# Altium PCB Hall Board.PcbDoc (part 2 of 4)
Units mil, origin at the board's own origin, x right, y up, seen from the top; angles counter-clockwise.
Board outline 5491 x 4230 mil, 4 copper layers (Top Layer, Internal Plane 1, Internal Plane 2, Bottom Layer), stack 18.2 mil thick; 462 components, 334 nets, 1357 pads, 212 vias.
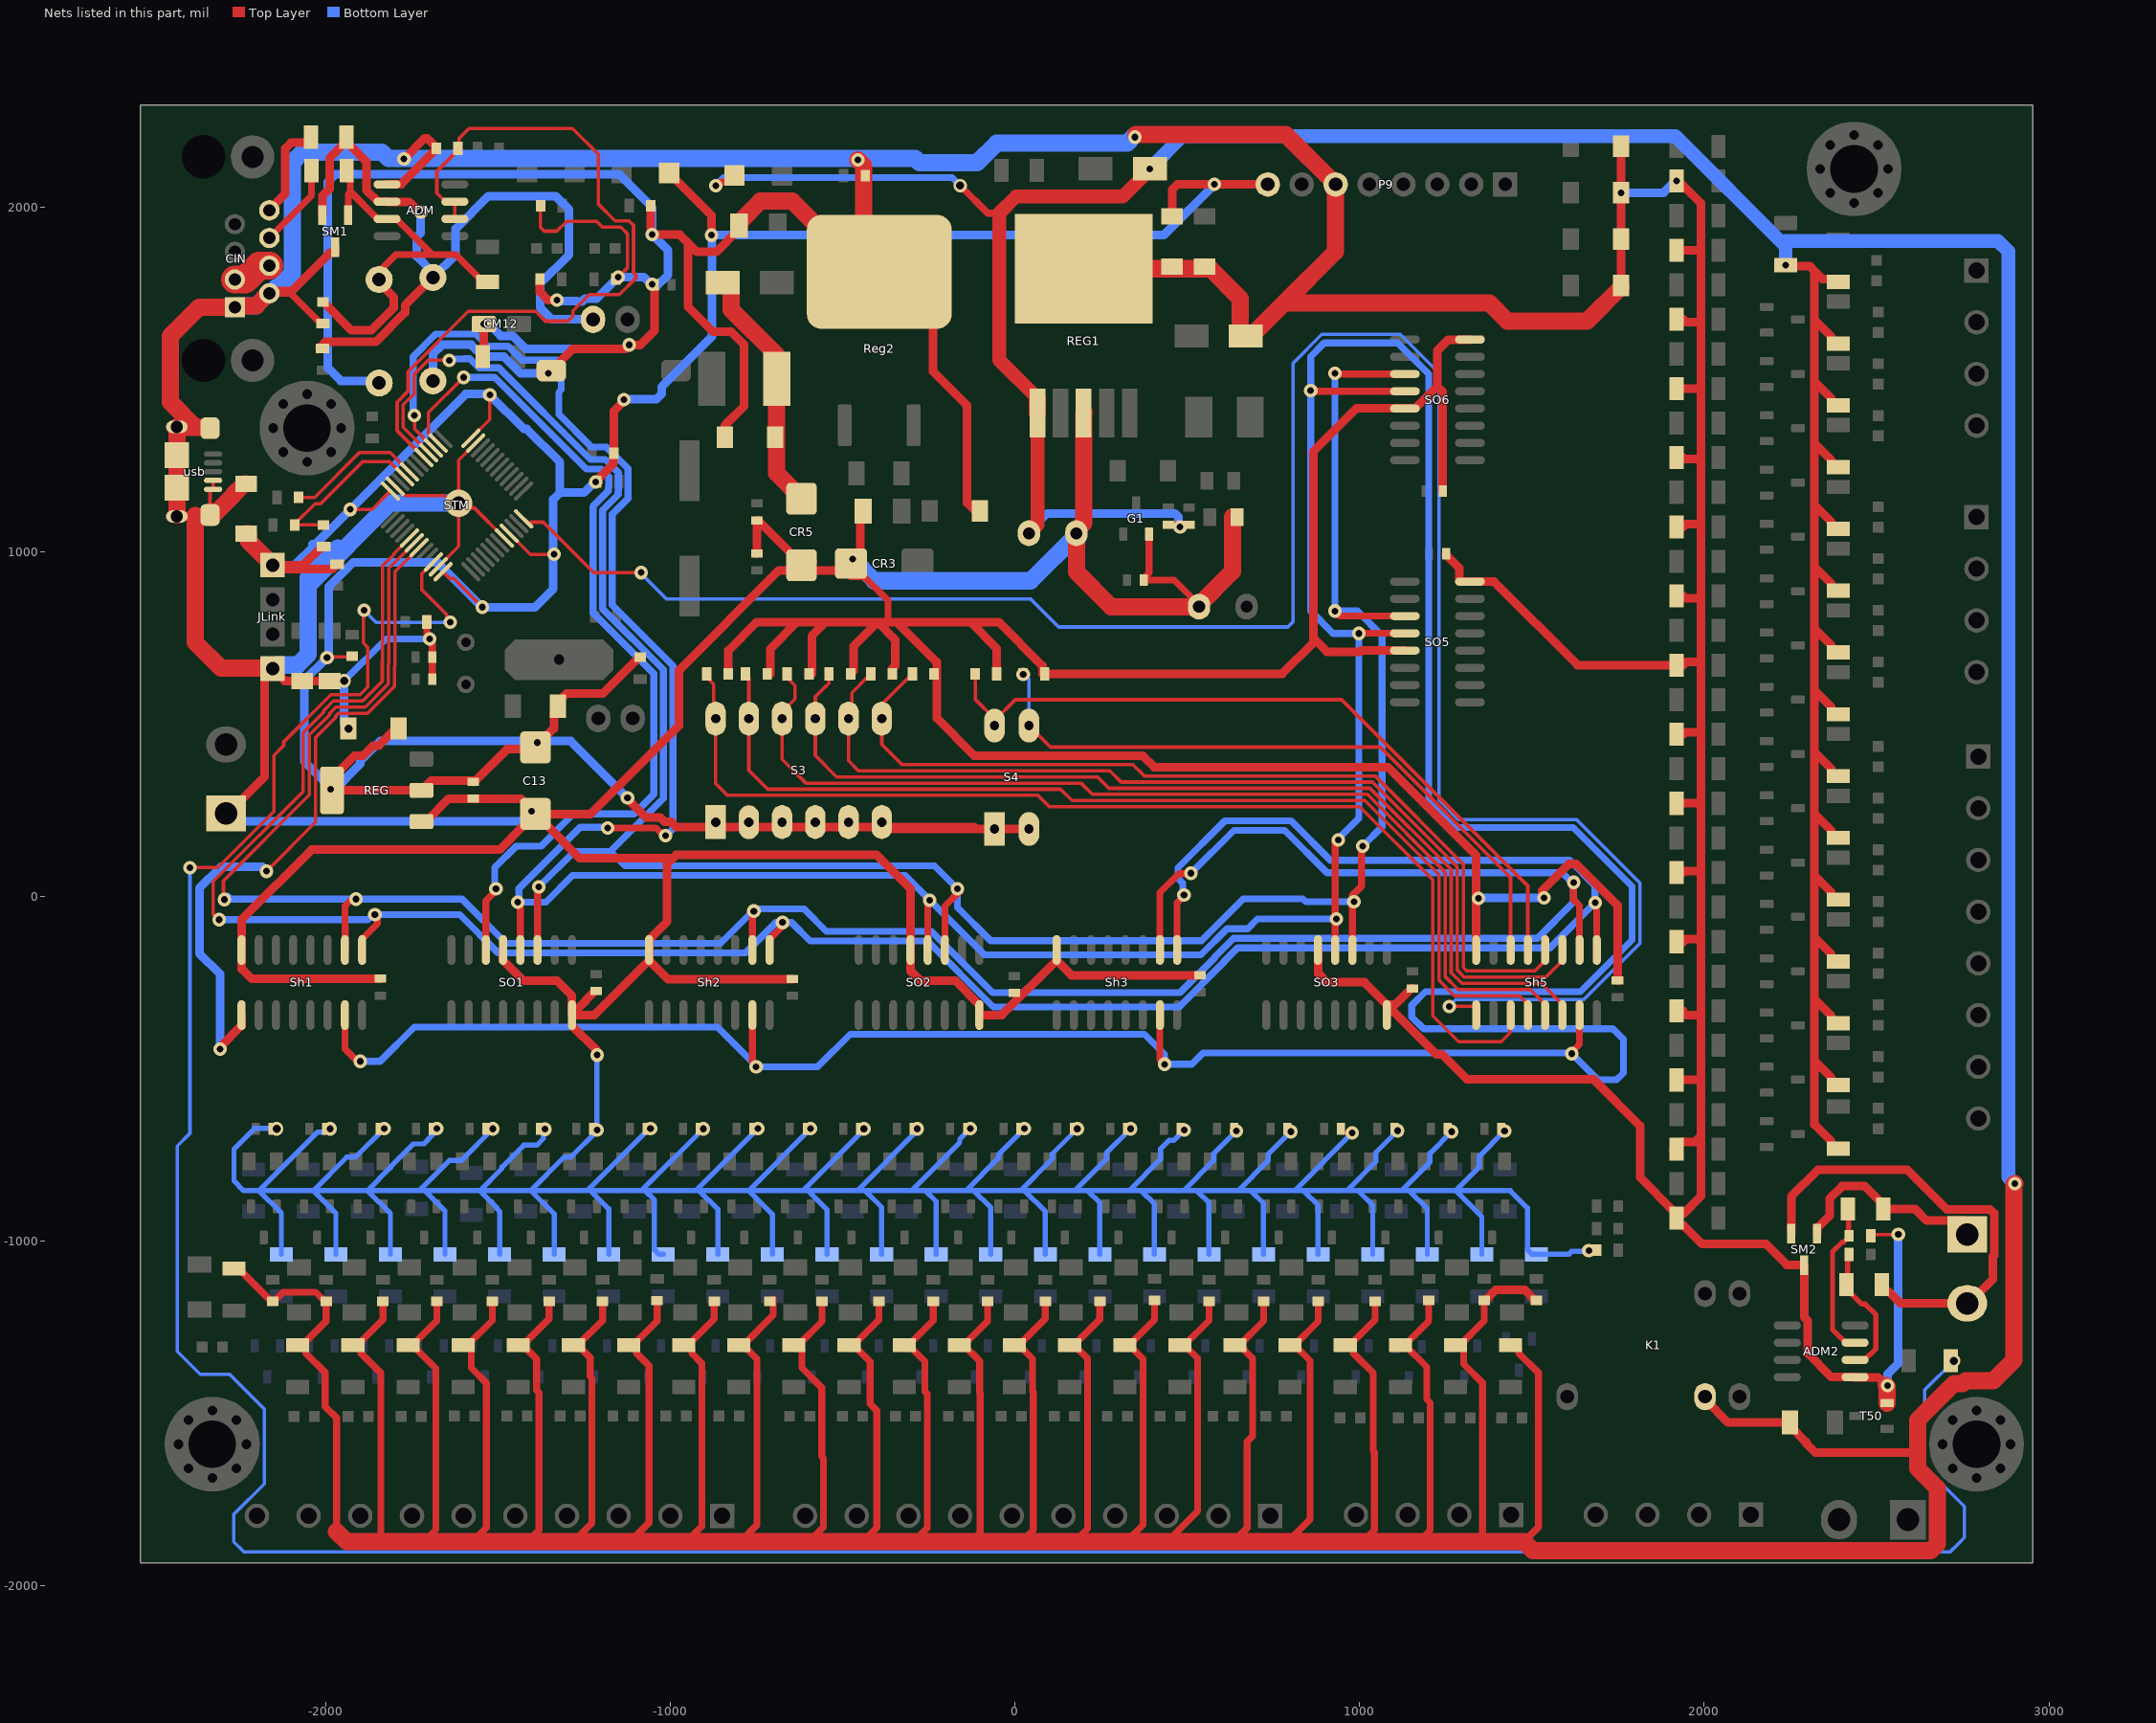
[diagram p4: the nets of this part, all layers, seen from the top]

## Via types
v1: diameter 39.37, hole 19.68, Top Layer to Bottom Layer, 199 vias
v2: diameter 39.37, hole 23.62, Top Layer to Bottom Layer, 12 vias
v3: diameter 78.74, hole 39.37, Top Layer to Bottom Layer, 1 vias

## Nets (pads, with @x,y where several pads share a name; then routed paths per layer and width w, separated by ;. In a path a pad name is that pad's centre, name@x,y a point inside that pad or via, vN(x,y) a via of type N, cw(c..) or ccw(c..) an arc to the next point about the centre after c; other vN are vias at no path point)
3.3v: 3.3V.1 C2.2 C13.1 DP2.1 DZ2.2 DZ10.2 DZ16.2 JLink.4 P9.8 R1.1 R3.1 R7.2 R15.1 R16.2 R30.1 REG.2 REG.4 S3.1 S3.2 S3.3 S3.4 S3.5 S3.6 S4.1 S4.2 STM.9 STM.24 STM.36 STM.48 | length 11199.7
  Top Layer w10: v1(-1997.03,692.12) -1995.09,694.06 -1926.38,694.06 R15.1@-1924.44,696.01 ; v1(-1929.47,1122.12) -1866.72,1122.12 STM.36@-1813.48,1175.37 ; STM.48@-1660.37,941.52 -1640.23,921.39 -1629.39,921.39 v1(-1546.51,838.51) ; STM.24@-1579.63,1328.48 -1524.8,1383.32 v1(-1524.8,1454.38) ; STM.9@-1468.28,1052.88 -1407.06,991.66 v1(-1338.52,991.66)
  Top Layer w25: JLink.4@-2171.38,960.17 JLink.4@-2155,960.17 -2066.74,960.17 -2012.91,1014.01 R7.2@-2007,1014.01 ; JLink.4@-2143.82,948.99 -1981.88,948.99 R16.2@-1967.88,962.99 ; DZ2.2@-1787.16,504.51 -1787.16,496.63 -1846.79,437 -1862.91,437 -1892.07,407.84 -1916.7,407.84 -1982.89,341.65 REG.4@-1982.89,307.2 REG.2@-1723.04,307.2 -1713.89,316.36 -1695.25,335 -1576.26,335 C2.2@-1572.96,331.7 -1569.42,331.7 -1474.22,426.9 C13.1@-1396.98,426.9 ; C13.1@-1392.43,431.46 -1392.43,433.42 -1338.83,487.02 -1338.83,539.98 DP2.1@-1327.71,551.1 -1327.71,561.93 -1301.44,588.2 -1195.93,588.2 -1091.14,692.99 R30.1@-1088.19,692.99 ; R3.1@-1214.31,1206.73 -1165.69,1255.35 -1165.69,1284.31 R1.1@-1165,1285 -1165,1406.96 -1135.09,1436.87 v1(-1135.09,1440.75) ; v1@-1126.63,283.37 -1071.08,227.82 -1029.79,227.82 -1017.35,215.37 -998.41,215.37 -983.03,200 S3.6@-376.35,200 ; 3.3V.1@-1004.56,2098 -881.99,1975.43 -881.99,1918.05 v1(-881.66,1917.72) ; S3.6@-387.09,215 -387.09,210.73 S3.6@-376.35,200 ; -118.34,200 S3.6@-376.35,200 ; S4.2@40,195 S4.1@-60,195 -371.36,195 S3.6@-376.35,200 ; DZ16.2@456.49,1971.46 456.49,2050.37 471.14,2065.01 v1(578.16,2065.01) P9.8@733.15,2065
  Top Layer w50: DZ10.2@-2232.07,1051.16 -2226.95,1051.16 -2225.57,1049.79 -2225.57,1030.75 JLink.4@-2155,960.17
  Bottom Layer w25: JLink.4@-2155,960.17 -2091.41,960.17 -2034.92,1016.67 v1(-1929.47,1122.12) ; -2040,1021.75 -2029.84,1021.75 v1(-1929.47,1122.12) ; v1@-1997.23,691.92 -2063.15,626 -2063.15,391.04 -1986.66,314.54 v1(-1986.66,310.66) ; v1@-1993.68,701.32 -1992.88,702.12 -1992.88,896.96 -1921.83,968 -1676,968 v1(-1546.51,838.51) -1393.42,838.51 -1340.37,891.56 -1340.37,1151.55 -1321.11,1170.81 ; v1@-1978.06,305.94 -1900.73,383.27 -1900.73,391.81 -1842.54,450 -1290,450 v1(-1125,285) ; v1(-1216.92,1201.66) -1220.81,1201.66 -1251.67,1170.81 -1321.11,1170.81 ; v1(-1135.09,1440.75) -1133.53,1442.32 -1040.61,1442.32 -1025.97,1456.97 -1025.97,1477.23 -880,1623.2 -880,1916.06 v1(-881.66,1917.72) ; v1@-878.34,1918.25 431.4,1918.25 v1(578.16,2065.01) ; v1(-1929.47,1122.12) -1594.48,1457.11 -1527.53,1457.11 v1(-1524.8,1454.38) -1425.61,1355.19 -1417.55,1355.19 -1321.11,1258.75 -1321.11,1170.81
  other v1: -1386.66,445.76
8V: CR5.1 DM2.1 DZ20.2 L5.2@-691.78,1501.37 | length 730.9
  Top Layer w50: DM2.1@-848.74,1780 -832.99,1780 -824.53,1771.54 -824.53,1702.11 -691.78,1569.37 -691.78,1530 -691.78,1358.03 -691.78,1331.37 -691.78,1226.81 -620,1155.02 CR5.1@-620,1153.05
24V: 24V.1 CM20.1 DM6.2 DP13.2 K1.4 R4.2 R9.2 REG1.1 RH1.2 RH2.2 RH3.2 RH4.2 RH5.2 RH6.2 RH7.2 RH8.2 RH9.2 RH10.2 RH11.2 RH12.2 RH13.2 RH14.2 RH15.2 RH16.2 RJ1.1 RJ2.1 RJ3.1 RJ4.1 RJ5.1 RJ6.1 RJ7.1 RJ8.1 RJ9.1 RJ10.1 RJ11.1 RJ12.1 RJ13.1 RJ14.1 RJ15.1 RJ16.1 RJ17.1 RJ18.1 RJ19.1 RJ20.1 RJ21.1 RJ22.1 RJ23.1 RJ24.1 RR1.1 RR2.1 RR3.1 RR4.1 RR5.1 RR6.1 RR7.1 RR8.1 RR9.1 RR10.1 RR11.1 RR12.1 RR13.1 RR14.1 RR15.1 RR16.1 RR17.1 RR18.1 RR19.1 RR20.1 RR21.1 RR22.1 RR23.1 RR24.1 | length 37371.3
  Top Layer w20: RR1.1@-2266.85,-1080.49 -2254.06,-1080.49 -2162.38,-1172.17 -2158.49,-1172.17 RJ1.1@-2154.71,-1175.94 -2151.76,-1175.94 -2124.81,-1149 -2029.61,-1149 -2002.66,-1175.94 -2001.22,-1175.94 -1999.71,-1177.45 -1999.71,-1233.05 RR2.1@-2069.2,-1302.54 ; RR2.1@-2063.3,-1308.44 -2058.53,-1313.21 -2058.53,-1326.01 -2002.57,-1381.97 -2002.57,-1480.73 -1969.49,-1513.81 -1969.49,-1843.51 ; RR3.1@-1921.99,-1302.54 RR3.1@-1909.2,-1302.54 ; -1856.79,-1873 -1841.21,-1857.41 -1841.21,-1383.33 -1898.53,-1326.01 -1898.53,-1313.21 RR3.1@-1909.2,-1302.54 ; RJ3.1@-1834.78,-1175.94 -1834.78,-1228.12 RR3.1@-1909.2,-1302.54 ; RR4.1@-1761.99,-1302.54 RR4.1@-1749.2,-1302.54 ; -1716.29,-1873 -1681.21,-1837.92 -1681.21,-1370.53 RR4.1@-1749.2,-1302.54 ; RJ4.1@-1678.39,-1178.9 -1678.39,-1231.74 RR4.1@-1749.2,-1302.54 ; RR5.1@-1601.99,-1302.54 RR5.1@-1589.2,-1302.54 ; -1575.79,-1873 -1534.85,-1832.06 -1534.85,-1412.32 -1578.53,-1368.64 -1578.53,-1313.21 RR5.1@-1589.2,-1302.54 ; RJ5.1@-1517.58,-1175.94 -1517.58,-1230.93 RR5.1@-1589.2,-1302.54 ; RR6.1@-1441.99,-1302.54 RR6.1@-1429.2,-1302.54 ; -1415.74,-1873 -1382.12,-1839.38 -1382.12,-1440.39 -1388.58,-1433.92 -1388.58,-1343.16 RR6.1@-1429.2,-1302.54 ; RJ6.1@-1352.67,-1178.9 -1352.67,-1226.01 RR6.1@-1429.2,-1302.54 ; -1281.99,-1873 -1228.43,-1819.44 -1228.43,-1398.74 -1233.28,-1393.89 -1233.28,-1338.46 RR7.1@-1269.2,-1302.54 ; RR7.1@-1281.99,-1302.54 RR7.1@-1269.2,-1302.54 ; RJ7.1@-1197.37,-1178.9 -1197.37,-1230.71 RR7.1@-1269.2,-1302.54 ; RR8.1@-1121.99,-1302.54 RR8.1@-1109.2,-1302.54 ; -1118,-1873 -1062.5,-1817.5 -1062.5,-1362.04 -1098.53,-1326.01 -1098.53,-1313.21 RR8.1@-1109.2,-1302.54 ; RJ8.1@-1039,-1173.5 -1039,-1232.34 RR8.1@-1109.2,-1302.54 ; RR9.1@-961.99,-1302.54 RR9.1@-949.2,-1302.54 ; -954.68,-1873 -909.49,-1827.82 -909.49,-1355.04 -938.53,-1326.01 -938.53,-1313.21 RR9.1@-949.2,-1302.54 ; RJ9.1@-873.58,-1178.9 -873.58,-1226.93 RR9.1@-949.2,-1302.54 ; v1@-853.71,2071.6 -834.01,2071.6 24V.1@-814.48,2091.13 ; RR10.1@-801.99,-1302.54 RR10.1@-789.2,-1302.54 ; -798,-1873 -749.78,-1824.78 -749.78,-1341.96 RR10.1@-789.2,-1302.54 ; RJ10.1@-702,-1168.4 -702,-1215.34 RR10.1@-789.2,-1302.54 ; RR11.1@-641.99,-1302.54 RR11.1@-629.2,-1302.54 ; -598.98,-1873 -556.39,-1830.41 -556.39,-1630.6 -561.21,-1625.78 -561.21,-1425.97 -618.53,-1368.64 -618.53,-1313.21 RR11.1@-629.2,-1302.54 ; RJ11.1@-560.19,-1178.9 -560.19,-1233.54 RR11.1@-629.2,-1302.54 ; RR12.1@-481.99,-1302.54 RR12.1@-469.2,-1302.54 ; -442.32,-1873 -401.57,-1832.24 -401.57,-1492.57 -421.19,-1472.95 -421.19,-1350.55 RR12.1@-469.2,-1302.54 ; RJ12.1@-395.66,-1178.9 -395.66,-1229.01 RR12.1@-469.2,-1302.54 ; RR13.1@-321.99,-1302.54 RR13.1@-309.2,-1302.54 ; -294.71,-1873 -255.06,-1833.35 -255.06,-1444.21 -262,-1437.27 -262,-1349.74 RR13.1@-309.2,-1302.54 ; RJ13.1@-237.76,-1178.9 -237.76,-1231.1 RR13.1@-309.2,-1302.54 ; RR14.1@-161.99,-1302.54 RR14.1@-149.2,-1302.54 ; v2(-159.6,2061.6) -79.66,1981.66 -45.89,1981.66 ; -128.39,-1873 -101.41,-1846.02 -101.41,-1441.03 -103.05,-1439.39 -103.05,-1348.69 RR14.1@-149.2,-1302.54 ; RJ14.1@-79.86,-1178.9 -79.86,-1233.2 RR14.1@-149.2,-1302.54 ; RR15.1@-1.99,-1302.54 RR15.1@10.8,-1302.54 ; 18.61,-1873 52.24,-1839.38 52.24,-1437.86 50.22,-1435.85 50.22,-1341.96 RR15.1@10.8,-1302.54 ; RJ15.1@87.42,-1178.9 87.42,-1225.92 RR15.1@10.8,-1302.54 ; RR16.1@158.01,-1302.54 RR16.1@170.8,-1302.54 ; 172.26,-1873 209.88,-1835.38 209.88,-1341.62 RR16.1@170.8,-1302.54 ; RJ16.1@245.79,-1178.9 245.79,-1227.55 RR16.1@170.8,-1302.54 ; RR17.1@318.01,-1302.54 RR17.1@330.8,-1302.54 ; 322,-1873 371,-1824 371,-1342.74 RR17.1@330.8,-1302.54 ; RJ17.1@404.16,-1172.99 404.16,-1229.18 RR17.1@330.8,-1302.54 ; 440.45,-1873 529.35,-1784.1 529.35,-1341.09 RR18.1@490.8,-1302.54 ; R9.2@445,1078.01 R4.2@504.1,1078.01 ; RR18.1@478.01,-1302.54 RR18.1@490.8,-1302.54 ; RJ18.1@562.53,-1178.9 562.53,-1230.81 RR18.1@490.8,-1302.54 ; 633.2,-1873 673,-1833.2 673,-1582.9 689.53,-1566.37 689.53,-1341.27 RR19.1@650.8,-1302.54 ; RR19.1@638.01,-1302.54 RR19.1@650.8,-1302.54 ; RJ19.1@720.9,-1175.94 720.9,-1232.44 RR19.1@650.8,-1302.54 ; 791.17,-1873 856.08,-1808.1 856.08,-1347.82 RR20.1@810.8,-1302.54 ; RR20.1@798.01,-1302.54 RR20.1@810.8,-1302.54 ; RJ20.1@879.27,-1175.94 879.27,-1234.07 RR20.1@810.8,-1302.54 ; RR21.1@958.01,-1302.54 RR21.1@970.8,-1302.54 ; 1008.57,-1873 1042.35,-1839.22 1042.35,-1613.05 1038.79,-1609.5 1038.79,-1383.33 981.47,-1326.01 981.47,-1313.21 RR21.1@970.8,-1302.54 ; RJ21.1@1044.49,-1175.94 1044.49,-1228.86 RR21.1@970.8,-1302.54 ; RR22.1@1118.01,-1302.54 RR22.1@1130.8,-1302.54 ; 1170.92,-1873 1204.54,-1839.38 1204.54,-1469.96 1194.34,-1459.75 1194.34,-1366.08 RR22.1@1130.8,-1302.54 ; RJ22.1@1200.26,-1172.99 1200.26,-1233.08 RR22.1@1130.8,-1302.54 ; RR23.1@1278.01,-1302.54 RR23.1@1290.8,-1302.54 ; RJ23.1@1361.3,-1172.99 1361.3,-1232.05 RR23.1@1290.8,-1302.54 ; 1377,-1873 1356.33,-1852.33 1356.33,-1412.54 1301.47,-1357.68 1301.47,-1313.21 RR23.1@1290.8,-1302.54 ; RR24.1@1438.01,-1302.54 1450.8,-1302.54 1461.47,-1313.21 1461.47,-1326.01 1518.86,-1383.4 1518.86,-1830.14 1476,-1873 ; RJ24.1@1512.76,-1175.94 RJ24.1@1512.76,-1172.99
  Top Layer w25: RJ23.1@1361.3,-1172.99 1364.25,-1172.99 1395.24,-1142 1478.81,-1142 1509.8,-1172.99 RJ24.1@1512.76,-1172.99 ; K1.4@2002.13,-1452.15 2002.13,-1460.02 2068.99,-1526.89 DP13.2@2248.76,-1526.89 2248.76,-1537.72 2295.24,-1584.19 2295.24,-1587.59 2322.64,-1615 2596.33,-1615 2619.33,-1592 ; v1(2236,1831) 2239,1828 2305.8,1828 2319.8,1813.99 ; RH2.2@2389,-547.5 2376.2,-547.5 2368.04,-539.33 2368.04,-526.54 2319.8,-478.3 ; RH3.2@2389,-368.31 2376.2,-368.31 2368.04,-360.14 2368.04,-347.34 2319.8,-299.11 ; RH4.2@2389,-189.11 2376.2,-189.11 2368.04,-180.94 2368.04,-168.14 2319.8,-119.91 ; RH5.2@2389,-9.91 2376.2,-9.91 2368.04,-1.74 2368.04,11.05 2319.8,59.29 ; RH6.2@2389,169.28 2376.2,169.28 2368.04,177.45 2368.04,190.25 2319.8,238.48 ; RH7.2@2389,348.48 2376.2,348.48 2368.04,356.65 2368.04,369.45 2319.8,417.68 ; RH8.2@2389,527.68 2376.2,527.68 2368.04,535.85 2368.04,548.64 2319.8,596.88 ; RH9.2@2389,706.88 2376.2,706.88 2368.04,715.04 2368.04,727.84 2319.8,776.07 ; RH10.2@2389,886.07 2376.2,886.07 2368.04,894.24 2368.04,907.04 2319.8,955.27 ; RH11.2@2389,1065.27 2376.2,1065.27 2368.04,1073.44 2368.04,1086.23 2319.8,1134.47 ; RH12.2@2389,1244.47 2376.2,1244.47 2368.04,1252.63 2368.04,1265.43 2319.8,1313.66 ; RH13.2@2389,1423.66 2376.2,1423.66 2368.04,1431.83 2368.04,1444.63 2319.8,1492.86 ; RH14.2@2389,1602.86 2376.2,1602.86 2368.04,1611.03 2368.04,1623.82 2319.8,1672.06 ; RH15.2@2389,1782.06 2380.83,1790.22 2343.57,1790.22 2319.8,1813.99 ; RH1.2@2401.8,-732.12 RH1.2@2389,-732.12 2376.2,-732.12 2368.04,-723.95 2368.04,-711.15 2319.8,-662.92 2319.8,-478.3 ; 2319.8,-478.3 2319.8,-299.11 ; 2319.8,-299.11 2319.8,-119.91 ; 2319.8,-119.91 2319.8,59.29 ; 2319.8,59.29 2319.8,238.48 ; 2319.8,238.48 2319.8,417.68 ; 2319.8,417.68 2319.8,596.88 ; 2319.8,596.88 2319.8,776.07 ; 2319.8,776.07 2319.8,955.27 ; 2319.8,955.27 2319.8,1134.47 ; 2319.8,1134.47 2319.8,1313.66 ; 2319.8,1313.66 2319.8,1492.86 ; 2319.8,1492.86 2319.8,1672.06 ; 2319.8,1672.06 2319.8,1813.99
  Top Layer w40: CM20.1@40,1052.88 64.69,1077.57 REG1.1@64.69,1401.06 ; REG1.1@64.69,1444.57 -45.89,1555.14 -45.89,1981.66 2.02,2029.57 311.99,2029.57 DM6.2@375.14,2092.72
  Top Layer w50: -1969.49,-1843.51 -1940,-1873 -1856.79,-1873 -1716.29,-1873 -1575.79,-1873 -1415.74,-1873 -1281.99,-1873 -1118,-1873 -954.68,-1873 -798,-1873 -598.98,-1873 -442.32,-1873 -294.71,-1873 -128.39,-1873 18.61,-1873 172.26,-1873 322,-1873 440.45,-1873 633.2,-1873 791.17,-1873 1008.57,-1873 1170.92,-1873 1377,-1873 1476,-1873 1502.37,-1899.37 2657.12,-1899.37 2676.37,-1880.12 2676.37,-1717.74 2619.33,-1660.69 2619.33,-1592 2619.33,-1519.31 2724.3,-1414.34 2749.33,-1414.34 2758.04,-1405.63 2839,-1405.63 2898,-1346.63 2898,-837.14 v1(2901,-834.14) ; REG1.1@64.69,1401.06 REG1.1@64.69,1444.57
  Bottom Layer w20: v1(-868.95,2061.6) -845.78,2084.76 -182.76,2084.76 v2(-159.6,2061.6)
  Bottom Layer w25: CM20.1@40,1052.88 40.11,1052.88 40.11,1057.99 92.87,1110.75 463.46,1110.75 474.55,1099.66 v1@474.55,1078.01
  Bottom Layer w40: v1(390.89,2110.44) 485.25,2204.8 1916.2,2204.8 2236,1885 ; v1(2236,1831) 2236,1885 ; v1(2901,-834.14) 2882,-815.14 2882,1870.91 2851.57,1901.34 2236,1901.34 2236,1885
  other v1: 478.68,1071.11
24V_IN: CIN.3 CIN.4 | length 116.6
  Top Layer w80: CIN.3@-2264.45,1789.09 -2234.53,1789.09 -2194.37,1829.25 CIN.4@-2164.45,1829.25
485+_Comm: ADM.6 JP1.2 RT2.2 RT4.2 RV2.2 SM1.2 | length 2277.6
  Top Layer w25: RT2.2@-2018.54,1591.71 -2001.89,1608.37 -1855.59,1608.37 -1770.33,1693.63 -1770.33,1714.39 RV2.2@-1689.71,1795.02 ; SM1.2@-2010.4,1975.26 -2009.71,1975.95 -2009.71,2032.29 -1989.78,2052.22 -1989.78,2140.75 RT4.2@-1941,2189.53 ; RT4.2@-1941,2202.32 RT4.2@-1941,2189.53 ; v1(-1725.12,1985) -1729.01,1985 -1758.32,2014.31 -1822.2,2014.31 ADM.6@-1822.89,2015 -1849.07,2015 -1882.64,2048.56 -1882.64,2131.16 RT4.2@-1941,2189.53
  Bottom Layer w25: v1@-1725.12,1979.12 -1725.12,1923.92 -1736,1913.04 -1736,1855.85 -1689.71,1809.56 RV2.2@-1689.71,1795.02 -1624,1860.73 -1624,1936.06 -1529.06,2031 -1334,2031 -1295,1992 -1295,1861 -1379,1777 -1379,1708 -1344.48,1673.48 JP1.2@-1225,1673.48
485+_Dis: ADM2.6 RT22.2 RT24.2 | length 388.7
  Top Layer w15: RT22.2@2420.02,-1039.06 2416.3,-1042.78 2416.3,-1142.96 2456.82,-1183.48 2466.91,-1183.48 2497.99,-1214.56 2497.99,-1312.57 2465.22,-1345.34 ADM2.6@2437.66,-1345.34
485-_Comm: ADM.7 RM1.1 RT1.1 RT3.2 RV1.2 SM1.1 | length 1222.7
  Top Layer w20: RT3.2@-1940,2105 -1929.33,2094.33 -1929.33,2043.88 ; SM1.1@-1935.6,1975.26 -1935.6,2037.61 -1929.33,2043.88 ; RV1.2@-1862.67,1796.01 -1797.19,1861.49 -1691.82,1861.49 ; ADM.7@-1823.58,1964.31 -1794.64,1964.31 -1691.82,1861.49 ; ADM.7@-1822.89,1965 -1850.45,1965 -1929.33,2043.88 ; RM1.1@-1530.81,1781.77 -1543.61,1781.77 -1623.33,1861.49 -1691.82,1861.49
  Top Layer w25: RT1.1@-2008.68,1723.91 -1926.01,1641.24 -1869.21,1641.24 -1803.21,1707.24 -1803.21,1736.55 RV1.2@-1862.67,1796.01
485-_Dis: ADM2.7 RT21.1 RT23.2 | length 457.2
  Top Layer w10: RT23.2@2416.76,-911.38 RT23.2@2416.76,-907.52
  Top Layer w15: RT23.2@2416.76,-907.52 2418.39,-909.15 2418.39,-989.7 2404.1,-1004 2399.88,-1004 2372.22,-1031.65 2372.22,-1257.47 2410.1,-1295.34 ADM2.7@2437.66,-1295.34
A11: R5.1 STM.32 | length 413.7
  Top Layer w10: R5.1@-2088,1145 -2088,1147.95 R5.1@-2079.22,1156.73 -2033.27,1156.73 -1903.28,1286.72 -1813.48,1286.72 STM.32@-1757.8,1231.04
A12: R6.1 R7.1 STM.33 | length 498.8
  Top Layer w10: R7.1@-2007,1077 R6.1@-2091,1077 -2091,1079.95 -2032.09,1138.86 -2016,1138.86 -1894.63,1260.23 -1814.82,1260.23 STM.33@-1771.72,1217.12
ChA: CIN.8 RT4.1 | length 287.7
  Top Layer w25: CIN.8@-2164.45,1989.88 -2164.45,1991.78 -2118,2038.23 -2118,2169 -2101.37,2185.63 -2051.37,2185.63 -2043.2,2193.8 RT4.1@-2043.2,2189.53
ChB: CIN.6 RT3.1 | length 233.3
  Top Layer w20: CIN.6@-2164.45,1909.57 -2042.2,2031.81 RT3.1@-2042.2,2092.2
"Clock Pin2": SO1.11 SO2.11 SO3.11 SO5.11 SO6.11 STM.28 | length 7462.9
  Top Layer w10: STM.28@-1702.12,1286.72 -1775.84,1360.44 -1775.84,1425.96 -1743.8,1458 -1743.8,1514.81 -1704.01,1554.6 v1(-1642,1554.6)
  Top Layer w20: SO1.11@-1386.23,-156.02 -1386.23,8.77 v1@-1375,20 ; SO2.11@-203.73,-156.02 -203.73,-28.73 v1@-160,15 ; v1@925,1516.62 926.62,1515 SO6.11@1131.02,1515 ; v1@930,823.78 941,812.78 SO5.11@1131.02,812.78 ; SO3.11@978.77,-156.02 978.77,2.81 1005.32,29.36 1005.32,141.41 v1(1008.91,145)
  Bottom Layer w20: v1(-1642,1554.6) -1638.29,1558.3 -1600.04,1558.3 -1598.88,1559.46 -1582.31,1559.46 -1555.73,1532.87 -1498.58,1532.87 -1232.8,1267.09 -1189.82,1267.09 -1151.49,1228.76 -1151.49,1174.56 -1152.55,1173.5 -1152.55,1166.48 -1151.49,1165.42 -1197.13,1119.79 -1197.13,833.36 -1020.88,657.11 -1020.88,284.12 -1175,130 ; v1(-1382.67,26.66) -1279.33,130 -1175,130 ; v1(927.68,1517.32) v1(927.68,827.32) 993.17,827.32 1065,755.49 1065,201.09 v1(1008.91,145) ; v1(983.02,-15.93) 843.2,-15.93 835,-7.74 662.28,-7.74 540.72,-129.3 -70.95,-129.3 -167.67,-32.58 v1(-167.67,21.66) -233.88,87.87 -1132.87,87.87 -1175,130
ClockEn: Sh1.15 Sh2.15 Sh3.15 Sh5.15 SO1.12 SO2.12 SO3.12 SO5.12 SO6.12 STM.27 | length 16432
  Top Layer w10: v1(-1743.28,1395) -1743.28,1355.72 STM.27@-1688.21,1300.64
  Top Layer w20: Sh1.15@-1945,-345 -1945,-443.38 v1@-1908.38,-480 ; SO1.12@-1436.23,-156.02 v1@-1436.23,-23.77 ; v1(-1182.5,197.44) -1042.37,197.44 -1020.24,175.32 v1(-1015,175.32) ; v1@-762.5,-478.92 Sh2.15@-762.5,-345 ; SO2.12@-253.73,-156.02 v1@-253.73,-13.73 ; Sh3.15@420,-345 420,-473.34 v1@433.9,-487.24 ; v1@855,1465 SO6.12@1131.02,1465 ; SO3.12@928.77,-156.02 928.77,162.39 v1@935,168.62 ; v1@1002.18,762.78 SO5.12@1131.02,762.78 ; v1(1615.5,-456.98) 1615.5,-451.74 1637.74,-429.49 Sh5.15@1637.74,-345
  Bottom Layer w20: v1(-1900.7,-479.11) -1843.04,-479.11 -1743.93,-380 -1691.5,-380 -1691.13,-379.63 -864.27,-379.63 v1@-750.28,-493.62 ; v1(-1743.28,1395) -1746.95,1398.67 -1746.95,1565.17 -1681.56,1630.56 -1565.84,1630.56 -1530.81,1595.53 -1471.11,1595.53 -1430.46,1554.88 -1327.62,1554.88 -1317.01,1544.28 -1317.01,1469.41 -1324.62,1461.81 -1324.62,1398.34 -1229,1302.72 -1186.02,1302.72 -1123.62,1240.31 -1123.62,1153.88 -1169.25,1108.24 -1169.25,844.9 -993,668.66 -993,195.35 -1014.02,174.34 v1(-1015,175.32) ; v1@-1185.18,200.12 -1262.33,200.12 -1440.19,22.25 -1440.19,-13.4 v1(-1443.9,-17.11) -1362.11,-17.11 -1285,60 -319.35,60 v1(-247.67,-11.68) -89.35,-170 539.43,-170 615.18,-94.25 675,-94.25 702.96,-66.29 v1(932.48,-66.29) ; v1(-751.66,-495) -573.48,-495 -478.97,-400.49 375.49,-400.49 433.9,-458.9 433.9,-487.24 v1(433.47,-487.68) 512.63,-487.68 545.31,-455 1607.63,-455 v1@1620,-467.37 ; v1(937.33,162.8) 937.33,165.6 997.68,225.95 v1(997.68,762.32) 922.68,762.32 857.68,827.32 v1(857.68,1467.32) 857.68,1565.5 897.06,1604.88 1110.18,1604.88 1200.43,1514.63 1200.43,275.89 1277.04,199.28 1619.77,199.28 1790.37,28.68 1790.37,-127.3 1640.55,-277.13 1190.42,-277.13 1151,-316.55 1151,-350.43 1185.31,-384.74 1734.63,-384.74 1765,-415.12 1765,-512.82 1745.32,-532.5 1691.02,-532.5 v1(1615.5,-456.98)